# KiCad board hvd-68-hd-panel.kicad_pcb (continued)
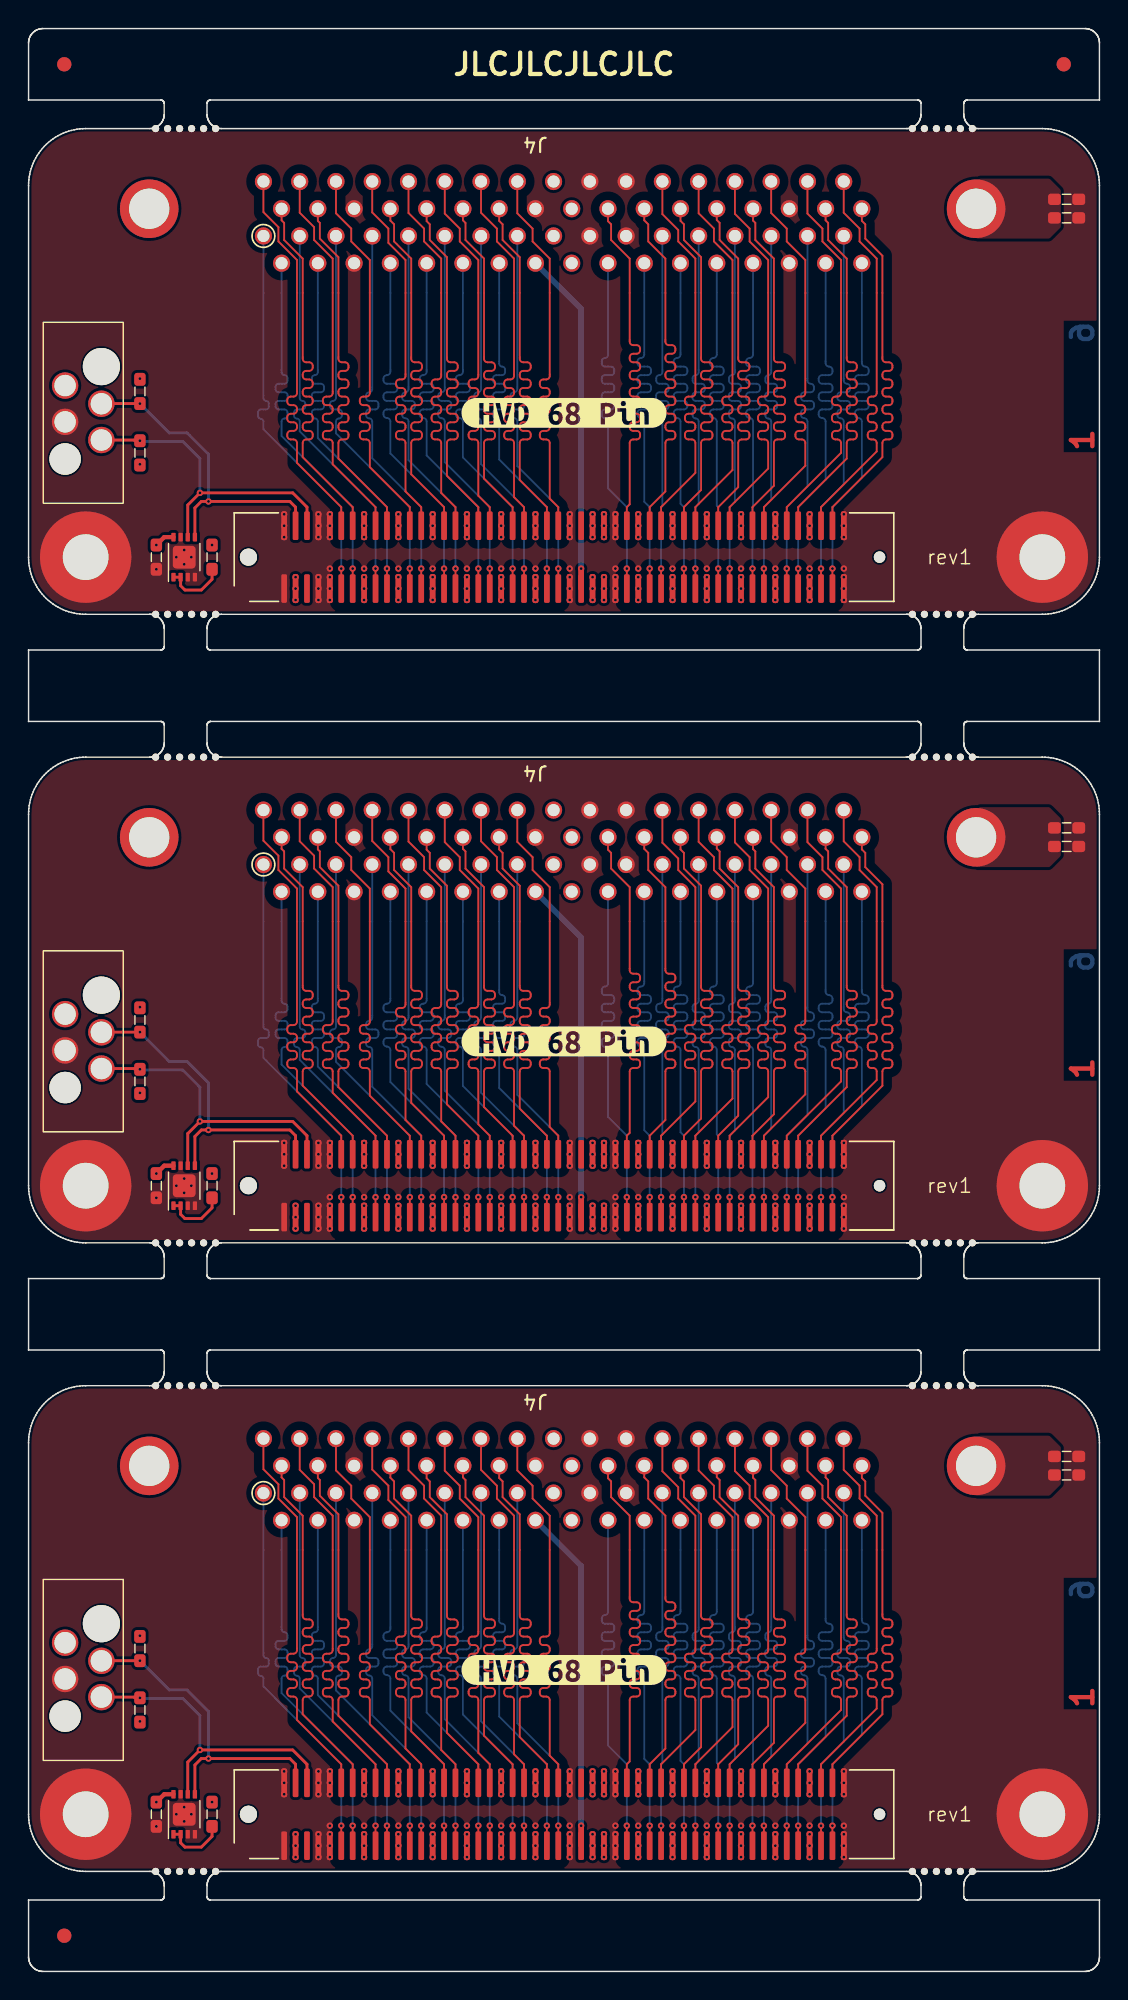
[diagram p0: board, top side]
## Routing (per net, layer and track width the routed paths; a pad name or vN(x,y) marks a point on that pad's centre or on a via; arc(x,y) is an arc through that point) (continued)
Board_2-/CON.DB10-: length 29.2
  Top w0.128: J1#2.96 55.5,14.5 59.4,18.4 59.4,19 arc(59.33,19.17) 59.16,19.24 59.01,19.24 arc(58.84,19.31) 58.77,19.48 58.77,19.6 arc(58.84,19.77) 59.01,19.84 59.16,19.84 arc(59.33,19.91) 59.4,20.08 59.4,20.2 arc(59.33,20.37) 59.16,20.44 59.01,20.44 arc(58.84,20.51) 58.77,20.68 58.77,20.8 arc(58.84,20.97) 59.01,21.04 59.16,21.04 arc(59.33,21.11) 59.4,21.28 59.4,21.4 arc(59.33,21.57) 59.16,21.64 59.01,21.64 arc(58.84,21.71) 58.77,21.88 58.77,22 arc(58.84,22.17) 59.01,22.24 59.16,22.24 arc(59.33,22.31) 59.4,22.48 59.4,31.9 58.2,33.1 58.2,34 57.09,35.11 J4#2.67
Board_2-/CON.DB11+: length 27.9
  Top w0.128: J1#2.97 v1(56.3,10.2)
  Bottom w0.128: J4#2.34 58.36,24.58 arc(58.43,24.41) 58.6,24.34 arc(58.77,24.27) 58.84,24.1 58.84,23.98 arc(58.77,23.81) 58.6,23.74 58.12,23.74 arc(57.95,23.67) 57.88,23.5 57.88,23.38 arc(57.95,23.21) 58.12,23.14 58.6,23.14 arc(58.77,23.07) 58.84,22.9 58.84,22.78 arc(58.77,22.61) 58.6,22.54 58.12,22.54 arc(57.95,22.47) 57.88,22.3 57.88,22.18 arc(57.95,22.01) 58.12,21.94 58.6,21.94 arc(58.77,21.87) 58.84,21.7 58.84,21.58 arc(58.77,21.41) 58.6,21.34 58.12,21.34 arc(57.95,21.27) 57.88,21.1 57.88,20.98 arc(57.95,20.81) 58.12,20.74 arc(58.29,20.67) 58.36,20.5 58.36,16.56 56.3,14.5 v1(56.3,10.2)
Board_2-/CON.DB11-: length 29.2
  Top w0.128: J4#2.68 58.36,34.54 58.6,34.3 58.6,33.3 59.8,32.1 59.8,24.88 arc(59.87,24.71) 60.04,24.64 60.26,24.64 arc(60.43,24.57) 60.5,24.4 60.5,24.28 arc(60.43,24.11) 60.26,24.04 60.04,24.04 arc(59.87,23.97) 59.8,23.8 59.8,23.68 arc(59.87,23.51) 60.04,23.44 60.26,23.44 arc(60.43,23.37) 60.5,23.2 60.5,23.08 arc(60.43,22.91) 60.26,22.84 60.04,22.84 arc(59.87,22.77) 59.8,22.6 59.8,22.48 arc(59.87,22.31) 60.04,22.24 60.26,22.24 arc(60.43,22.17) 60.5,22 60.5,21.88 arc(60.43,21.71) 60.26,21.64 60.04,21.64 arc(59.87,21.57) 59.8,21.4 59.8,21.28 arc(59.87,21.11) 60.04,21.04 60.26,21.04 arc(60.43,20.97) 60.5,20.8 60.5,20.68 arc(60.43,20.51) 60.26,20.44 60.04,20.44 arc(59.87,20.37) 59.8,20.2 59.8,20.08 arc(59.87,19.91) 60.04,19.84 60.26,19.84 arc(60.43,19.77) 60.5,19.6 60.5,19.48 arc(60.43,19.31) 60.26,19.24 60.04,19.24 arc(59.87,19.17) 59.8,19 59.8,18 56.3,14.5 J1#2.98
Board_2-/CON.DB12+: length 27.9
  Top w0.128: J1#2.11 v1(21.9,10.2)
  Bottom w0.128: J4#2.1 16.45,22.13 arc(16.5,22) 16.64,21.94 arc(16.77,21.89) 16.82,21.76 16.82,21.53 arc(16.77,21.4) 16.64,21.34 16.26,21.34 arc(16.13,21.29) 16.08,21.16 16.08,20.87 arc(16.13,20.74) 16.26,20.69 arc(16.4,20.63) 16.45,20.5 16.45,19.95 21.9,14.5 v1(21.9,10.2)
Board_2-/CON.DB12-: length 29.2
  Top w0.128: J4#2.35 16.45,35.15 17.5,34.1 17.5,33.1 18.8,31.8 18.8,22.48 arc(18.73,22.31) 18.56,22.24 18.36,22.24 arc(18.19,22.17) 18.12,22 18.12,21.88 arc(18.19,21.71) 18.36,21.64 18.56,21.64 arc(18.73,21.57) 18.8,21.4 18.8,21.28 arc(18.73,21.11) 18.56,21.04 18.36,21.04 arc(18.19,20.97) 18.12,20.8 18.12,20.68 arc(18.19,20.51) 18.36,20.44 18.56,20.44 arc(18.73,20.37) 18.8,20.2 18.8,20.08 arc(18.73,19.91) 18.56,19.84 18.36,19.84 arc(18.19,19.77) 18.12,19.6 18.12,19.48 arc(18.19,19.31) 18.36,19.24 18.56,19.24 arc(18.73,19.17) 18.8,19 18.8,17.6 21.9,14.5 J1#2.12
Board_2-/CON.DB13+: length 27.9
  Top w0.128: J1#2.13 v1(22.7,10.2)
  Bottom w0.128: v1(22.7,10.2) 22.7,14.5 17.72,19.48 17.72,20.5 arc(17.78,20.65) 17.93,20.71 arc(18.07,20.77) 18.13,20.91 18.13,21.14 arc(18.07,21.28) 17.93,21.34 17.51,21.34 arc(17.36,21.4) 17.3,21.55 17.3,21.73 arc(17.36,21.88) 17.51,21.94 17.93,21.94 arc(18.08,22) 18.14,22.15 18.14,22.33 arc(18.08,22.48) 17.93,22.54 17.51,22.54 arc(17.36,22.6) 17.3,22.75 17.3,22.93 arc(17.36,23.08) 17.51,23.14 17.93,23.14 arc(18.07,23.2) 18.13,23.35 18.13,23.54 arc(18.07,23.68) 17.93,23.74 arc(17.78,23.8) 17.72,23.95 J4#2.2
Board_2-/CON.DB13-: length 29.2
  Top w0.128: J4#2.36 17.72,34.58 17.9,34.4 17.9,33.2 19.2,31.9 19.2,24.88 arc(19.27,24.71) 19.44,24.64 19.66,24.64 arc(19.83,24.57) 19.9,24.4 19.9,24.28 arc(19.83,24.11) 19.66,24.04 19.44,24.04 arc(19.27,23.97) 19.2,23.8 19.2,23.68 arc(19.27,23.51) 19.44,23.44 19.66,23.44 arc(19.83,23.37) 19.9,23.2 19.9,23.08 arc(19.83,22.91) 19.66,22.84 19.44,22.84 arc(19.27,22.77) 19.2,22.6 19.2,22.48 arc(19.27,22.31) 19.44,22.24 19.66,22.24 arc(19.83,22.17) 19.9,22 19.9,21.88 arc(19.83,21.71) 19.66,21.64 19.44,21.64 arc(19.27,21.57) 19.2,21.4 19.2,21.28 arc(19.27,21.11) 19.44,21.04 19.66,21.04 arc(19.83,20.97) 19.9,20.8 19.9,20.68 arc(19.83,20.51) 19.66,20.44 19.44,20.44 arc(19.27,20.37) 19.2,20.2 19.2,20.08 arc(19.27,19.91) 19.44,19.84 19.66,19.84 arc(19.83,19.77) 19.9,19.6 19.9,19.48 arc(19.83,19.31) 19.66,19.24 19.44,19.24 arc(19.27,19.17) 19.2,19 19.2,18 22.7,14.5 J1#2.14
Board_2-/CON.DB14+: length 27.9
  Top w0.128: J1#2.17 v1(24.3,10.2)
  Bottom w0.128: J4#2.3 18.99,22.14 arc(19.05,22) 19.19,21.94 arc(19.32,21.88) 19.38,21.75 19.38,21.54 arc(19.32,21.4) 19.19,21.34 18.79,21.34 arc(18.66,21.28) 18.6,21.15 18.6,20.89 arc(18.66,20.76) 18.79,20.7 arc(18.93,20.64) 18.99,20.5 18.99,19.81 24.3,14.5 v1(24.3,10.2)
Board_2-/CON.DB14-: length 29.2
  Top w0.128: J1#2.18 24.3,14.5 21.3,17.5 21.3,19 arc(21.23,19.17) 21.06,19.24 20.85,19.24 arc(20.68,19.31) 20.61,19.48 20.61,19.6 arc(20.68,19.77) 20.85,19.84 21.06,19.84 arc(21.23,19.91) 21.3,20.08 21.3,20.2 arc(21.23,20.37) 21.06,20.44 20.85,20.44 arc(20.68,20.51) 20.61,20.68 20.61,20.8 arc(20.68,20.97) 20.85,21.04 21.06,21.04 arc(21.23,21.11) 21.3,21.28 21.3,21.4 arc(21.23,21.57) 21.06,21.64 20.85,21.64 arc(20.68,21.71) 20.61,21.88 20.61,22 arc(20.68,22.17) 20.85,22.24 21.06,22.24 arc(21.23,22.31) 21.3,22.48 21.3,31.9 20,33.2 20,34.1 18.99,35.11 J4#2.37
Board_2-/CON.DB15+: length 27.9
  Top w0.128: J1#2.19 v1(25.1,10.2)
  Bottom w0.128: J4#2.4 20.26,23.95 arc(20.2,23.8) 20.05,23.74 arc(19.9,23.68) 19.84,23.53 19.84,23.35 arc(19.9,23.2) 20.05,23.14 20.47,23.14 arc(20.63,23.08) 20.69,22.93 20.69,22.76 arc(20.63,22.6) 20.47,22.54 20.05,22.54 arc(19.89,22.48) 19.83,22.33 19.83,22.16 arc(19.89,22) 20.05,21.94 20.47,21.94 arc(20.63,21.88) 20.69,21.73 20.69,21.56 arc(20.63,21.4) 20.47,21.34 20.05,21.34 arc(19.9,21.28) 19.84,21.13 19.84,20.92 arc(19.9,20.77) 20.05,20.71 arc(20.2,20.65) 20.26,20.5 20.26,19.34 25.1,14.5 v1(25.1,10.2)
Board_2-/CON.DB15-: length 29.2
  Top w0.128: J1#2.20 25.1,14.5 21.7,17.9 21.7,19 arc(21.77,19.17) 21.94,19.24 22.17,19.24 arc(22.34,19.31) 22.41,19.48 22.41,19.6 arc(22.34,19.77) 22.17,19.84 21.94,19.84 arc(21.77,19.91) 21.7,20.08 21.7,20.2 arc(21.77,20.37) 21.94,20.44 22.17,20.44 arc(22.34,20.51) 22.41,20.68 22.41,20.8 arc(22.34,20.97) 22.17,21.04 21.94,21.04 arc(21.77,21.11) 21.7,21.28 21.7,21.4 arc(21.77,21.57) 21.94,21.64 22.17,21.64 arc(22.34,21.71) 22.41,21.88 22.41,22 arc(22.34,22.17) 22.17,22.24 21.94,22.24 arc(21.77,22.31) 21.7,22.48 21.7,22.6 arc(21.77,22.77) 21.94,22.84 22.17,22.84 arc(22.34,22.91) 22.41,23.08 22.41,23.2 arc(22.34,23.37) 22.17,23.44 21.94,23.44 arc(21.77,23.51) 21.7,23.68 21.7,23.8 arc(21.77,23.97) 21.94,24.04 22.17,24.04 arc(22.34,24.11) 22.41,24.28 22.41,24.4 arc(22.34,24.57) 22.17,24.64 21.94,24.64 arc(21.77,24.71) 21.7,24.88 21.7,32 20.4,33.3 20.4,34.4 20.26,34.54 J4#2.38
Board_2-/CON.DIFFSENSE: length 24.1
  Top w0.4: J1#2.53 v1(38.7,10.2)
  Bottom w0.4: v1(38.7,10.2) 38.7,28.38 J4#2.16
Board_2-/CON.DP0+: length 27.9
  Top w0.128: J1#2.49 v1(37.1,10.2)
  Bottom w0.128: v1(37.1,10.2) 37.1,14.5 34.23,17.37 34.23,20.5 arc(34.16,20.67) 33.99,20.74 33.99,20.74 arc(33.82,20.81) 33.75,20.98 33.75,21.1 arc(33.82,21.27) 33.99,21.34 34.47,21.34 arc(34.64,21.41) 34.71,21.58 34.71,21.7 arc(34.64,21.87) 34.47,21.94 33.99,21.94 arc(33.82,22.01) 33.75,22.18 33.75,22.3 arc(33.82,22.47) 33.99,22.54 33.99,22.54 arc(34.16,22.61) 34.23,22.78 J4#2.15
Board_2-/CON.DP0-: length 29.2
  Top w0.128: J1#2.50 37.1,14.5 36.5,15.1 36.5,19 arc(36.43,19.17) 36.26,19.24 36.04,19.24 arc(35.87,19.31) 35.8,19.48 35.8,19.6 arc(35.87,19.77) 36.04,19.84 36.26,19.84 arc(36.43,19.91) 36.5,20.08 36.5,20.2 arc(36.43,20.37) 36.26,20.44 36.04,20.44 arc(35.87,20.51) 35.8,20.68 35.8,20.8 arc(35.87,20.97) 36.04,21.04 36.26,21.04 arc(36.43,21.11) 36.5,21.28 36.5,21.4 arc(36.43,21.57) 36.26,21.64 36.04,21.64 arc(35.87,21.71) 35.8,21.88 35.8,22 arc(35.87,22.17) 36.04,22.24 36.26,22.24 arc(36.43,22.31) 36.5,22.48 36.5,22.6 arc(36.43,22.77) 36.26,22.84 36.04,22.84 arc(35.87,22.91) 35.8,23.08 35.8,23.2 arc(35.87,23.37) 36.04,23.44 36.26,23.44 arc(36.43,23.51) 36.5,23.68 36.5,31.9 35.3,33.1 35.3,34 34.23,35.07 J4#2.49
Board_2-/CON.DP1+: length 27.9
  Top w0.128: J1#2.23 v1(26.7,10.2)
  Bottom w0.128: v1(26.7,10.2) 26.7,14.5 21.53,19.67 21.53,20.5 arc(21.59,20.65) 21.74,20.71 arc(21.88,20.77) 21.94,20.92 21.94,21.14 arc(21.88,21.28) 21.74,21.34 21.32,21.34 arc(21.18,21.4) 21.12,21.55 21.12,21.74 arc(21.18,21.88) 21.32,21.94 arc(21.47,22) 21.53,22.15 J4#2.5
Board_2-/CON.DP1-: length 29.2
  Top w0.128: J4#2.39 21.53,35.07 22.6,34 22.6,33.1 23.9,31.8 23.9,22.48 arc(23.83,22.31) 23.66,22.24 23.44,22.24 arc(23.27,22.17) 23.2,22 23.2,21.88 arc(23.27,21.71) 23.44,21.64 23.66,21.64 arc(23.83,21.57) 23.9,21.4 23.9,21.28 arc(23.83,21.11) 23.66,21.04 23.44,21.04 arc(23.27,20.97) 23.2,20.8 23.2,20.68 arc(23.27,20.51) 23.44,20.44 23.66,20.44 arc(23.83,20.37) 23.9,20.2 23.9,20.08 arc(23.83,19.91) 23.66,19.84 23.44,19.84 arc(23.27,19.77) 23.2,19.6 23.2,19.48 arc(23.27,19.31) 23.44,19.24 23.66,19.24 arc(23.83,19.17) 23.9,19 23.9,17.3 26.7,14.5 J1#2.24
Board_2-/CON.I/O+: length 27.9
  Top w0.128: J1#2.85 v1(51.5,10.2)
  Bottom w0.128: v1(51.5,10.2) 51.5,14.5 52.01,15.01 52.01,20.5 arc(51.95,20.64) 51.81,20.7 arc(51.66,20.76) 51.61,20.91 51.61,21.14 arc(51.66,21.28) 51.81,21.34 52.22,21.34 arc(52.36,21.4) 52.42,21.55 52.42,21.73 arc(52.36,21.88) 52.22,21.94 51.8,21.94 arc(51.66,22) 51.6,22.15 51.6,22.33 arc(51.66,22.48) 51.8,22.54 52.22,22.54 arc(52.36,22.6) 52.42,22.75 52.42,22.93 arc(52.36,23.08) 52.22,23.14 51.81,23.14 arc(51.66,23.2) 51.61,23.34 51.61,23.54 arc(51.66,23.68) 51.81,23.74 arc(51.95,23.8) 52.01,23.94 J4#2.29
Board_2-/CON.I/O-: length 29.2
  Top w0.128: J4#2.63 52.01,35.09 53.1,34 53.1,33.1 54.4,31.8 54.4,22.48 arc(54.33,22.31) 54.16,22.24 53.95,22.24 arc(53.78,22.17) 53.71,22 53.71,21.88 arc(53.78,21.71) 53.95,21.64 54.16,21.64 arc(54.33,21.57) 54.4,21.4 54.4,21.28 arc(54.33,21.11) 54.16,21.04 53.95,21.04 arc(53.78,20.97) 53.71,20.8 53.71,20.68 arc(53.78,20.51) 53.95,20.44 54.16,20.44 arc(54.33,20.37) 54.4,20.2 54.4,20.08 arc(54.33,19.91) 54.16,19.84 53.95,19.84 arc(53.78,19.77) 53.71,19.6 53.71,19.48 arc(53.78,19.31) 53.95,19.24 54.16,19.24 arc(54.33,19.17) 54.4,19 54.4,17.4 51.5,14.5 J1#2.86
Board_2-/CON.MSG+: length 27.9
  Top w0.128: J1#2.73 v1(46.7,10.2)
  Bottom w0.128: J4#2.25 46.93,23.95 arc(46.87,23.8) 46.72,23.74 arc(46.57,23.68) 46.51,23.53 46.51,23.35 arc(46.57,23.2) 46.72,23.14 47.14,23.14 arc(47.3,23.08) 47.36,22.93 47.36,22.76 arc(47.3,22.6) 47.14,22.54 46.72,22.54 arc(46.56,22.48) 46.5,22.33 46.5,22.16 arc(46.56,22) 46.72,21.94 47.14,21.94 arc(47.3,21.88) 47.36,21.73 47.36,21.56 arc(47.3,21.4) 47.14,21.34 46.72,21.34 arc(46.57,21.28) 46.51,21.13 46.51,20.92 arc(46.57,20.77) 46.72,20.71 arc(46.87,20.65) 46.93,20.5 46.93,14.73 46.7,14.5 v1(46.7,10.2)
Board_2-/CON.MSG-: length 29.2
  Top w0.128: J4#2.59 46.93,35.07 48,34 48,33.1 49.3,31.8 49.3,22.48 arc(49.23,22.31) 49.06,22.24 48.83,22.24 arc(48.66,22.17) 48.59,22 48.59,21.88 arc(48.66,21.71) 48.83,21.64 49.06,21.64 arc(49.23,21.57) 49.3,21.4 49.3,21.28 arc(49.23,21.11) 49.06,21.04 48.83,21.04 arc(48.66,20.97) 48.59,20.8 48.59,20.68 arc(48.66,20.51) 48.83,20.44 49.06,20.44 arc(49.23,20.37) 49.3,20.2 49.3,20.08 arc(49.23,19.91) 49.06,19.84 48.83,19.84 arc(48.66,19.77) 48.59,19.6 48.59,19.48 arc(48.66,19.31) 48.83,19.24 49.06,19.24 arc(49.23,19.17) 49.3,19 49.3,17.1 46.7,14.5 J1#2.74
Board_2-/CON.REQ+: length 27.9
  Top w0.128: J1#2.83 v1(50.7,10.2)
  Bottom w0.128: v1(50.7,10.2) 50.7,14.5 50.74,14.54 50.74,20.5 arc(50.67,20.67) 50.5,20.74 50.49,20.74 arc(50.32,20.81) 50.25,20.98 50.25,21.1 arc(50.32,21.27) 50.49,21.34 50.99,21.34 arc(51.16,21.41) 51.23,21.58 51.23,21.7 arc(51.16,21.87) 50.99,21.94 50.49,21.94 arc(50.32,22.01) 50.25,22.18 50.25,22.3 arc(50.32,22.47) 50.49,22.54 50.99,22.54 arc(51.16,22.61) 51.23,22.78 51.23,22.9 arc(51.16,23.07) 50.99,23.14 50.49,23.14 arc(50.32,23.21) 50.25,23.38 50.25,23.5 arc(50.32,23.67) 50.49,23.74 50.99,23.74 arc(51.16,23.81) 51.23,23.98 51.23,24.1 arc(51.16,24.27) 50.99,24.34 50.49,24.34 arc(50.32,24.41) 50.25,24.58 50.25,24.7 arc(50.32,24.87) 50.49,24.94 50.5,24.94 arc(50.67,25.01) 50.74,25.18 J4#2.28
Board_2-/CON.REQ-: length 29.2
  Top w0.128: J1#2.84 50.7,14.5 52.2,16 52.2,19 arc(52.27,19.17) 52.44,19.24 52.75,19.24 arc(52.91,19.31) 52.99,19.48 52.99,19.6 arc(52.91,19.77) 52.75,19.84 52.44,19.84 arc(52.27,19.91) 52.2,20.08 52.2,20.2 arc(52.27,20.37) 52.44,20.44 52.75,20.44 arc(52.91,20.51) 52.99,20.68 52.99,20.8 arc(52.91,20.97) 52.75,21.04 52.44,21.04 arc(52.27,21.11) 52.2,21.28 52.2,21.4 arc(52.27,21.57) 52.44,21.64 52.75,21.64 arc(52.91,21.71) 52.99,21.88 52.99,22 arc(52.91,22.17) 52.75,22.24 52.44,22.24 arc(52.27,22.31) 52.2,22.48 52.2,22.6 arc(52.27,22.77) 52.44,22.84 52.75,22.84 arc(52.91,22.91) 52.99,23.08 52.99,23.2 arc(52.91,23.37) 52.75,23.44 52.44,23.44 arc(52.27,23.51) 52.2,23.68 52.2,23.8 arc(52.27,23.97) 52.44,24.04 52.75,24.04 arc(52.91,24.11) 52.99,24.28 52.99,24.4 arc(52.91,24.57) 52.75,24.64 52.44,24.64 arc(52.27,24.71) 52.2,24.88 52.2,31.9 50.9,33.2 50.9,34.4 50.74,34.56 J4#2.62
Board_2-/CON.RST+: length 27.9
  Top w0.128: J1#2.71 v1(45.9,10.2)
  Bottom w0.128: J4#2.24 45.66,25.18 arc(45.59,25.01) 45.42,24.94 arc(45.25,24.87) 45.18,24.7 45.18,24.58 arc(45.25,24.41) 45.42,24.34 45.9,24.34 arc(46.07,24.27) 46.14,24.1 46.14,23.98 arc(46.07,23.81) 45.9,23.74 45.42,23.74 arc(45.25,23.67) 45.18,23.5 45.18,23.38 arc(45.25,23.21) 45.42,23.14 45.9,23.14 arc(46.07,23.07) 46.14,22.9 46.14,22.78 arc(46.07,22.61) 45.9,22.54 45.42,22.54 arc(45.25,22.47) 45.18,22.3 45.18,22.18 arc(45.25,22.01) 45.42,21.94 45.9,21.94 arc(46.07,21.87) 46.14,21.7 46.14,21.58 arc(46.07,21.41) 45.9,21.34 45.42,21.34 arc(45.25,21.27) 45.18,21.1 45.18,20.98 arc(45.25,20.81) 45.42,20.74 arc(45.59,20.67) 45.66,20.5 45.66,14.74 45.9,14.5 v1(45.9,10.2)
Board_2-/CON.RST-: length 29.2
  Top w0.128: J4#2.58 45.66,34.54 45.9,34.3 45.9,33.2 47.1,32 47.1,24.88 arc(47.17,24.71) 47.34,24.64 47.66,24.64 arc(47.83,24.57) 47.9,24.4 47.9,24.28 arc(47.83,24.11) 47.66,24.04 47.34,24.04 arc(47.17,23.97) 47.1,23.8 47.1,23.68 arc(47.17,23.51) 47.34,23.44 47.66,23.44 arc(47.83,23.37) 47.9,23.2 47.9,23.08 arc(47.83,22.91) 47.66,22.84 47.34,22.84 arc(47.17,22.77) 47.1,22.6 47.1,22.48 arc(47.17,22.31) 47.34,22.24 47.66,22.24 arc(47.83,22.17) 47.9,22 47.9,21.88 arc(47.83,21.71) 47.66,21.64 47.34,21.64 arc(47.17,21.57) 47.1,21.4 47.1,21.28 arc(47.17,21.11) 47.34,21.04 47.66,21.04 arc(47.83,20.97) 47.9,20.8 47.9,20.68 arc(47.83,20.51) 47.66,20.44 47.34,20.44 arc(47.17,20.37) 47.1,20.2 47.1,20.08 arc(47.17,19.91) 47.34,19.84 47.66,19.84 arc(47.83,19.77) 47.9,19.6 47.9,19.48 arc(47.83,19.31) 47.66,19.24 47.34,19.24 arc(47.17,19.17) 47.1,19 47.1,15.7 45.9,14.5 J1#2.72
Board_2-/CON.SEL+: length 27.9
  Top w0.128: J1#2.77 v1(48.3,10.2)
  Bottom w0.128: v1(48.3,10.2) 48.3,14.5 48.2,14.6 48.2,20.5 arc(48.13,20.67) 47.96,20.74 47.96,20.74 arc(47.79,20.81) 47.72,20.98 47.72,21.1 arc(47.79,21.27) 47.96,21.34 48.44,21.34 arc(48.61,21.41) 48.68,21.58 48.68,21.7 arc(48.61,21.87) 48.44,21.94 47.96,21.94 arc(47.79,22.01) 47.72,22.18 47.72,22.3 arc(47.79,22.47) 47.96,22.54 48.44,22.54 arc(48.61,22.61) 48.68,22.78 48.68,22.9 arc(48.61,23.07) 48.44,23.14 47.96,23.14 arc(47.79,23.21) 47.72,23.38 47.72,23.5 arc(47.79,23.67) 47.96,23.74 48.44,23.74 arc(48.61,23.81) 48.68,23.98 48.68,24.1 arc(48.61,24.27) 48.44,24.34 47.96,24.34 arc(47.79,24.41) 47.72,24.58 47.72,24.7 arc(47.79,24.87) 47.96,24.94 47.96,24.94 arc(48.13,25.01) 48.2,25.18 J4#2.26
Board_2-/CON.SEL-: length 29.2
  Top w0.128: J4#2.60 48.2,34.6 48.4,34.4 48.4,33.2 49.7,31.9 49.7,24.88 arc(49.77,24.71) 49.94,24.64 50.25,24.64 arc(50.42,24.57) 50.49,24.4 50.49,24.28 arc(50.42,24.11) 50.25,24.04 49.94,24.04 arc(49.77,23.97) 49.7,23.8 49.7,23.68 arc(49.77,23.51) 49.94,23.44 50.25,23.44 arc(50.42,23.37) 50.49,23.2 50.49,23.08 arc(50.42,22.91) 50.25,22.84 49.94,22.84 arc(49.77,22.77) 49.7,22.6 49.7,22.48 arc(49.77,22.31) 49.94,22.24 50.25,22.24 arc(50.42,22.17) 50.49,22 50.49,21.88 arc(50.42,21.71) 50.25,21.64 49.94,21.64 arc(49.77,21.57) 49.7,21.4 49.7,21.28 arc(49.77,21.11) 49.94,21.04 50.25,21.04 arc(50.42,20.97) 50.49,20.8 50.49,20.68 arc(50.42,20.51) 50.25,20.44 49.94,20.44 arc(49.77,20.37) 49.7,20.2 49.7,20.08 arc(49.77,19.91) 49.94,19.84 50.25,19.84 arc(50.42,19.77) 50.49,19.6 50.49,19.48 arc(50.42,19.31) 50.25,19.24 49.94,19.24 arc(49.77,19.17) 49.7,19 49.7,15.9 48.3,14.5 J1#2.78
Board_2-/CON.TERMPWR:
  vias: v1(39.5,14) v1(39.5,13.2) v1(39.5,12.4) v1(39.5,9.6) v1(39.5,8.8) v1(39.5,8) v1(40.3,14) v1(40.3,13.2) v1(40.3,12.4) v1(40.3,9.6) v1(40.3,8.8) v1(40.3,8)
Board_2-/PHY.ID_SCL: length 22.5
  Top w0.2: v1(7.8,19.15) 7.45,19.15 7.4,19.2 J3.4 ; U1#2.6 11.15,14.65 v1(12,15.5) 18.5,15.5 19.5,14.5 J1#2.6
  Bottom w0.2: v1(7.8,19.15) 7.85,19.1 10.8,19.1 12,17.9 v1(12,15.5)
Board_2-/PHY.ID_SDA: length 23
  Top w0.2: J3.2 5.11,21.75 v1(7.8,21.75) ; U1#2.5 11.65,14.45 12.1,14.9 18.3,14.9 18.7,14.5 J1#2.4
  Bottom w0.2: v1(7.8,21.75) 9.85,19.7 11.1,19.7 12.6,18.2 v1(12.6,14.9)
Board_2-GND:
  vias: v1(8.95,10.15) v1(10.35,11) v1(10.9,11.5) v1(10.9,10.5) v1(11.4,11) v1(17.9,14) v1(17.9,13.2) v1(17.9,12.4) v1(20.3,14) v1(20.3,13.2) v1(20.3,12.4) v1(20.3,9.6) v1(20.3,8.8) v1(20.3,8) v1(21.1,14) v1(21.1,13.2) v1(21.1,12.4) v1(21.1,10.2) v1(21.1,9.6) v1(21.1,8.8) v1(21.1,8) v1(23.5,14) v1(23.5,13.2) v1(23.5,12.4) v1(23.5,10.2) v1(23.5,9.6) v1(23.5,8.8) v1(23.5,8) v1(25.9,14) v1(25.9,13.2) v1(25.9,12.4) v1(25.9,10.2) v1(25.9,9.6) v1(25.9,8.8) v1(25.9,8) v1(28.3,14) v1(28.3,13.2) v1(28.3,12.4) v1(28.3,10.2) v1(28.3,9.6) v1(28.3,8.8) v1(28.3,8) v1(30.7,14) v1(30.7,13.2) v1(30.7,12.4) v1(30.7,10.2) v1(30.7,9.6) v1(30.7,8.8) v1(30.7,8) v1(33.1,14) v1(33.1,13.2) v1(33.1,12.4) v1(33.1,10.2) v1(33.1,9.6) v1(33.1,8.8) v1(33.1,8) v1(35.5,14) v1(35.5,13.2) v1(35.5,12.4) v1(35.5,10.2) v1(35.5,9.6) v1(35.5,8.8) v1(35.5,8) v1(37.9,14) v1(37.9,13.2) v1(37.9,12.4) v1(37.9,10.2) v1(37.9,9.6) v1(37.9,8.8) v1(37.9,8) v1(41.1,14) v1(41.1,13.2) v1(41.1,12.4) v1(41.1,10.2) v1(41.1,9.6) v1(41.1,8.8) v1(41.1,8) v1(42.7,14) v1(42.7,13.2) v1(42.7,12.4) v1(42.7,10.2) v1(42.7,9.6) v1(42.7,8.8) v1(42.7,8) v1(45.1,14) v1(45.1,13.2) v1(45.1,12.4) v1(45.1,10.2) v1(45.1,9.6) v1(45.1,8.8) v1(45.1,8) v1(47.5,14) v1(47.5,13.2) v1(47.5,12.4) v1(47.5,10.2) v1(47.5,9.6) v1(47.5,8.8) v1(47.5,8) v1(49.9,14) v1(49.9,13.2) v1(49.9,12.4) v1(49.9,10.2) v1(49.9,9.6) v1(49.9,8.8) v1(49.9,8) v1(52.3,14) v1(52.3,13.2) v1(52.3,12.4) v1(52.3,10.2) v1(52.3,9.6) v1(52.3,8.8) v1(52.3,8) v1(54.7,14) v1(54.7,13.2) v1(54.7,12.4) v1(54.7,10.2) v1(54.7,9.6) v1(54.7,8.8) v1(54.7,8) v1(57.1,14) v1(57.1,13.2) v1(57.1,12.4) v1(57.1,10.2) v1(57.1,9.6) v1(57.1,8.8) v1(57.1,8)
Board_2-Net-(U1-E0): length 4.4
  Top w0.2: R1#2.1 12.85,9.45 12.1,8.7 10.95,8.7 10.65,9 U1#2.2 U1#2.1

## Copper pours and planes (outline as drawn; the poured copper is in the pictures)
Board_0-+3V3 on In2.Cu: 19,95.7 4,95.7 0.7,99 0.7,112.2 9,112.2 9,102 14.8,102 19,97.8
Board_0-/CON.TERMPWR on In2.Cu: 0,95 75,95 75,129 0,129
Board_0-/SHIELD on Top: 72.3,122.1 72.3,124.7 71.5,125.5 66.6,125.5 64.5,123.4 66.4,121.3 71.5,121.3
Board_0-GND on Top, Bottom, In1.Cu, In3.Cu, In4.Cu: 75,95 0,95 0,129 75,129
Board_1-+3V3 on In2.Cu: 19,51.7 4,51.7 0.7,55 0.7,68.2 9,68.2 9,58 14.8,58 19,53.8
Board_1-/CON.TERMPWR on In2.Cu: 0,51 75,51 75,85 0,85
Board_1-/SHIELD on Top: 72.3,78.1 72.3,80.7 71.5,81.5 66.6,81.5 64.5,79.4 66.4,77.3 71.5,77.3
Board_1-GND on Top, Bottom, In1.Cu, In3.Cu, In4.Cu: 75,51 0,51 0,85 75,85
Board_2-+3V3 on In2.Cu: 19,7.7 4,7.7 0.7,11 0.7,24.2 9,24.2 9,14 14.8,14 19,9.8
Board_2-/CON.TERMPWR on In2.Cu: 0,7 75,7 75,41 0,41
Board_2-/SHIELD on Top: 72.3,34.1 72.3,36.7 71.5,37.5 66.6,37.5 64.5,35.4 66.4,33.3 71.5,33.3
Board_2-GND on Top, Bottom, In1.Cu, In3.Cu, In4.Cu: 75,7 0,7 0,41 75,41

## Text on the board
Bottom: 6
Top: 1
F.Silkscreen: rev1 | JLCJLCJLCJLC
In1.Cu: 2
In2.Cu: 3
In3.Cu: 4
In4.Cu: 5
